# Altium PCB DI543.PcbDoc (part 5 of 8)
Units mil, origin at the board's own origin, x right, y up, seen from the top; angles counter-clockwise.
Board outline 8666.42 x 9192.01 mil, 4 copper layers (Top Layer, Mid-Layer 1, Mid-Layer 2, Bottom Layer), stack 35.6 mil thick; 694 components, 500 nets, 2441 pads, 1661 vias.
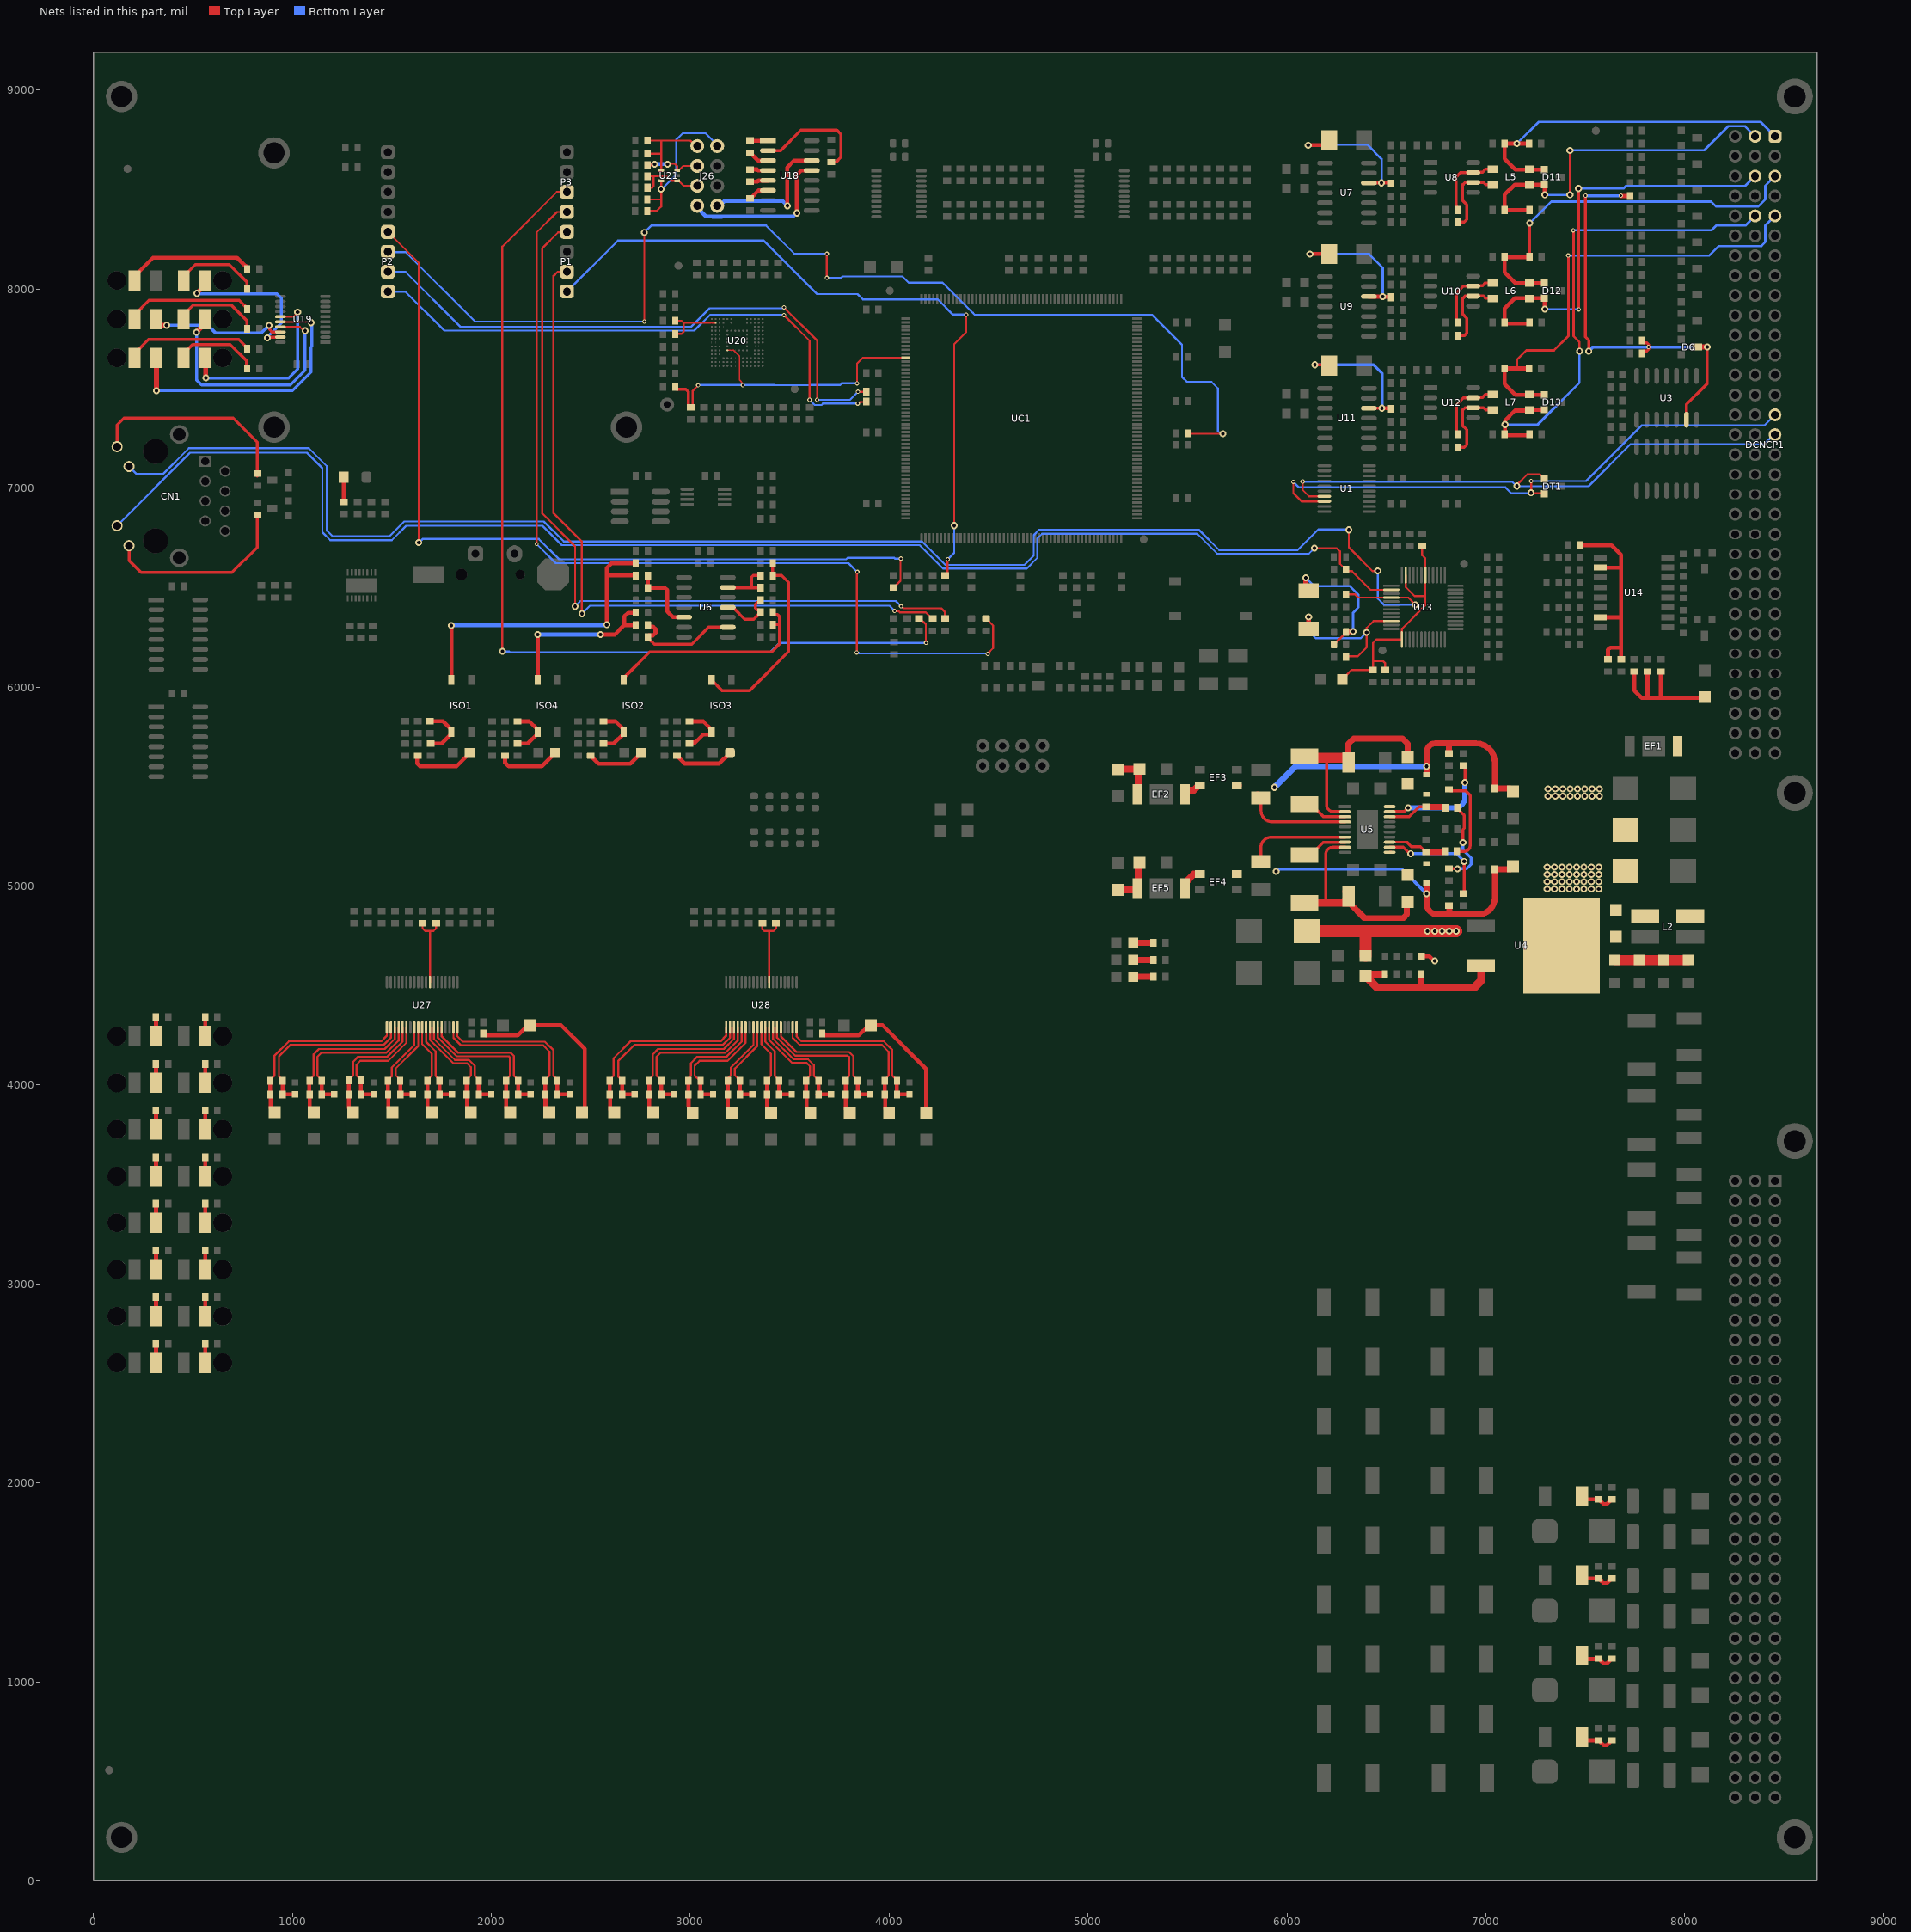
[diagram p7: the nets of this part, all layers, seen from the top]

## Via types
v1: diameter 35, hole 18, Top Layer to Bottom Layer, tented both sides, 586 vias
v2: diameter 32, hole 18, Top Layer to Bottom Layer, tented both sides, 474 vias
v3: diameter 22, hole 12, Top Layer to Bottom Layer, tented both sides, 354 vias
v4: diameter 24, hole 12, Top Layer to Bottom Layer, tented both sides, 80 vias
v5: diameter 38, hole 18, Top Layer to Bottom Layer, tented both sides, 57 vias
v6: diameter 20, hole 12, Top Layer to Bottom Layer, tented both sides, 51 vias
v7: diameter 62.99, hole 31.5, Top Layer to Bottom Layer, tented both sides, 49 vias
v8: diameter 35, hole 19, Top Layer to Bottom Layer, tented both sides, 4 vias
v9: diameter 21, hole 12, Top Layer to Bottom Layer, tented both sides, 3 vias
v10: diameter 35, hole 12, Top Layer to Bottom Layer, tented both sides, 1 vias
v11: diameter 22.01, hole 12, Top Layer to Bottom Layer, tented both sides, 1 vias
v12: diameter 35, hole 22, Top Layer to Bottom Layer, tented both sides, 1 vias

## Nets (pads, with @x,y where several pads share a name; then routed paths per layer and width w, separated by ;. In a path a pad name is that pad's centre, name@x,y a point inside that pad or via, vN(x,y) a via of type N, cw(c..) or ccw(c..) an arc to the next point about the centre after c; other vN are vias at no path point) (continued)
NetC41_2: C41.2 D6.3 R58.1 R69.2 U3.13 | length 2182.3
  Top Layer w15: v3(7501,8470) 7501,7759.83 7517.72,7743.11 7517.72,7695.09 v1@7511.61,7688.98 ; v3@7678,8469 v3@7678.53,8468.47 ; R69.2@7724.56,8468.47 R69.2@7725.08,8467.95 ; R58.1@7786,7677 7786,7680.5 7794.5,7689 7809.21,7689 7818,7697.79 v3@7818,7705.25 ; C41.2@7786,7742.24 7786,7738.74 7794.5,7730.24 7809.21,7730.24 7818,7721.45 v3(7818,7709.62) ; U3.13@8008.79,7344.2 8008.79,7421.19 8113.19,7525.59 v1(8113.19,7709.65) ; D6.3@8062.44,7709.68 D6.3@8062.78,7709.34
  Top Layer w20: v3@7678.53,8468.47 R69.2@7724.56,8468.47 ; v1@8112.88,7709.34 v1(8113.19,7709.65)
  Top Layer w25: D6.3@8062.78,7709.34 v1@8112.88,7709.34
  Bottom Layer w15: v3(7501,8470) v3@7677,8470 ; v1(7517.72,7688.98) 7538.36,7709.62 v3(7818,7709.62) ; v3(7818,7709.62) v1(8113.19,7709.65)
  other v3: 7678.97,8470
NetC47_1: C47.1 C48.1 EF1.1 L2.4
NetC50_2: C50.2 C51.2 R70.2 U4.3 | length 847.5
  Top Layer w20: C51.2@6492.54,4555.99 C51.2@6498.2,4550.33
  Top Layer w30: 6670,4490 ccw(c6670,4496.19) 6676.19,4496.19 C50.2@6676.19,4556.25
  Top Layer w35: R70.2@6402.25,4556 6475,4556
  Top Layer w40: R70.2@6394.64,4548.39 6453.03,4490 6670,4490 6942,4490 6976.74,4524.74 U4.3@6976.74,4601
NetC52_1: C52.1 R305.1 R306.2 U4.4 | length 956.1
  Top Layer w20: R306.2@6677.19,4646.69 6716.16,4646.69 6738.98,4623.87 v1(6743.04,4623.87)
  Top Layer w60: C52.1@6099,4773 6388,4773 ; R305.1@6394.64,4648.96 6394.64,4766.36 ccw(c6388,4766.36) 6388,4773 ; v1(6852,4773) 6816,4773 6744,4773 v1(6707,4773) 6388,4773
  other v1: 6743.25,4773 6779.5,4773 6815.75,4773 7308.2,4985 7345.31,4985 7382.43,4985 7419.54,4985 7456.66,4985 7493.77,4985 7530.89,4985 7568,4985 7308.2,5021.92 7345.31,5021.92 7382.43,5021.92 7419.54,5021.92 7456.66,5021.92 7493.77,5021.92 7530.89,5021.92 7568,5021.92 7308.2,5058.84 7345.31,5058.84 7382.43,5058.84 7419.54,5058.84 7456.66,5058.84 7493.77,5058.84 7530.89,5058.84 7568,5058.84 7308.2,5095.76 7345.31,5095.76 7382.43,5095.76 7419.54,5095.76 7456.66,5095.76 7493.77,5095.76 7530.89,5095.76 7568,5095.76 7312.56,5451.31 7349.48,5451.31 7386.4,5451.31 7423.32,5451.31 7460.24,5451.31 7497.16,5451.31 7534.08,5451.31 7571,5451 7312.56,5488.11 7349.48,5488.11 7386.4,5488.11 7423.32,5488.11 7460.24,5488.11 7497.16,5488.11 7534.08,5488.11 7571,5488.11
NetC53_1: C53.1 D16.K L3.1 U5.2 | length 1055.8
  Top Layer w15: 6201,5646 ccw(c6205.83,5641.17) 6199,5641.17 6199,5410 ccw(c6234.96,5410) 6234.96,5374.04 U5.2@6292,5374.04
  Top Layer w30: D16.K@6309.61,5621.25 6309.61,5714.61 6336,5741 6582,5741 6607,5716 C53.1@6607,5648.25
  Top Layer w50: L3.1@6081,5646 6201,5646 D16.K@6307,5646
NetC53_2: C53.2 D15.K U5.20
NetC54_2: C54.2 EF2.3 R309.1 | length 240.2
  Top Layer w35: R309.1@5150.27,5586.88 5151.27,5587.88 C54.2@5257.88,5587.88 ; EF2.3@5247.33,5461.49 5253.1,5467.26 5253.1,5583.11 C54.2@5257.88,5587.88 ; C54.2@5258.88,5588.88 C54.2@5257.88,5587.88
NetC55_1: C55.1 C56.2 D15.A EF3.1 R308.1 R310.1 U5.4 | length 2164
  Top Layer w15: C55.1@5868.84,5443.88 cw(c5868.84,5442.72) 5870,5442.72 5870,5379 ccw(c5926.14,5379) 5926.14,5322.86 U5.4@6292,5322.86
  Top Layer w30: D15.A@6703,5566 6703,5674 cw(c6746,5674) 6746,5717 6814,5717 ; R308.1@6815.04,5667.25 cw(c6815.04,5668.3) 6814,5668.3 6814,5717 ; R310.1@7045,5490.23 7045,5623 ccw(c6951,5623) 6951,5717 6814,5717 ; R310.1@7045.07,5490.16 7122.07,5490.16 C56.2@7137,5475.23
  Top Layer w35: EF3.1@5749.08,5505.93 EF3.1@5754.98,5505.93 ; C55.1@5853.86,5458.86 C55.1@5868.84,5443.88
  Bottom Layer w30: v1(5938,5496) 6044,5602 v1(6702,5602)
NetC57_1: C57.1 D18.K U5.11 | length 6.9
  Top Layer w15: U5.11@6516.41,5169.32 6522.8,5169.32 U5.11@6523.15,5168.97
NetC57_2: C57.2 D19.K L4.1 U5.9 | length 1016.9
  Top Layer w15: 6196,4932 6196,5161 cw(c6229.91,5161) 6229.91,5194.91 U5.9@6292,5194.91
  Top Layer w30: D19.K@6313.54,4915.46 6390,4839 6585.66,4839 6603.23,4856.57 6603.23,4916.32 C57.2@6607,4920.09
  Top Layer w40: L4.1@6089,4915.46 6196,4915.46 6297,4915.46 6313.54,4915.46 D19.K@6297,4932 ; D19.K@6307.27,4944.75 D19.K@6309.61,4947.09
  Top Layer w50: D19.K@6303.11,4972 6309.61,4965.5 D19.K@6309.61,4947.09
NetC58_1: C58.1 D47.A R192.2 | length 182.6
  Top Layer w20: D47.A@7482.77,722.39 7498.77,706.39 7570.87,706.39 7576.87,700.39 7576.87,696.89 7592.38,681.39 7608.95,681.39 7624.46,696.89 7624.46,700.39 7630.46,706.39 R192.2@7633.96,706.39
NetC59_1: C59.1 D48.A R208.2 | length 183.4
  Top Layer w20: D48.A@7482.77,1132.09 7482.77,1131.51 7499.26,1115.01 C59.1@7567.37,1115.01 ; C59.1@7567.37,1117.09 7570.87,1117.09 7576.87,1111.09 7576.87,1107.59 7592.38,1092.08 7608.95,1092.08 7624.46,1107.59 7624.46,1111.09 7630.46,1117.09 R208.2@7633.96,1117.09
NetC60_1: C60.1 D49.A R259.2 | length 182.2
  Top Layer w20: D49.A@7482.77,1535.03 7497.77,1520.03 7570.87,1520.03 7576.87,1514.03 7576.87,1510.53 7592.38,1495.02 7608.95,1495.02 7624.46,1510.53 7624.46,1514.03 7630.46,1520.03 R259.2@7633.96,1520.03
NetC61_1: C61.1 D50.A R283.2 | length 182.2
  Top Layer w20: D50.A@7482.77,1932.96 7497.77,1917.96 7570.87,1917.96 7576.87,1911.96 7576.87,1908.46 7592.38,1892.95 7608.95,1892.95 7624.46,1908.46 7624.46,1911.96 7630.46,1917.96 R283.2@7633.96,1917.96
NetC62_2: C62.2 L5.1 U8.7 | length 369
  Top Layer w15: C62.2@6860,8398 6851.5,8406.5 6851.5,8418.69 6851.4,8418.79 6851.4,8565.4 6872.38,8586.38 U8.7@6936.5,8586.38 6939.02,8588.9 6983.9,8588.9 6997.74,8602.74 L5.1@7033.99,8602.74
NetC63_2: C63.2 D11.1 DCNCP1.A1 L5.4 R74.2 | length 1794.3
  Top Layer w20: R74.2@7218,8732 v1(7156.5,8732) C63.2@7095,8732 7095,8655 7149,8601 D11.1@7294.5,8601
  Bottom Layer w11.81: v1(7156.5,8732) 7265.5,8841 8381.28,8841 DCNCP1.A1@8453.78,8768.5
NetC64_1: C64.1 L5.2 U8.6 | length 395.4
  Top Layer w15: C64.1@6860,8337 6892,8337 6905,8350 6905,8425 6881.81,8448.19 6881.81,8522.35 6895.36,8535.9 6935.86,8535.9 U8.6@6936.41,8536.46 ; U8.6@6936.5,8536.38 6988.62,8536.38 7000,8525 7032.99,8525 L5.2@7033.99,8524
NetC65_1: C65.1 D11.2 DCNCP1.B1 L5.3 R79.1 | length 1839.2
  Top Layer w11.81: v1@7423,8469 v1(7423,8698)
  Top Layer w20: R79.1@7220,8398 C65.1@7095,8398 7095,8475 7146,8526 D11.2@7294.5,8526 7296,8524.5 v1@7296,8468
  Bottom Layer w11.81: v1(7296,8473.92) v1(7423,8473.92) ; v1(7423,8698) 8097,8698 8218.19,8819.19 8303.09,8819.19 DCNCP1.B1@8353.78,8768.5
NetC67_2: C67.2 U7.5 X_C1.2 | length 749.7
  Top Layer w11.81: C67.2@6520.33,8534 C67.2@6524,8530.33
  Top Layer w15: U7.5@6412,8534 6477,8534 C67.2@6520.33,8534
  Top Layer w20: v1(6107,8724.05) 6189.46,8724.05 X_C1.2@6213.5,8748.08
  Bottom Layer w11.81: v1@6107,8727 6403.91,8727 6476,8654.91 v1(6476,8534)
NetC68_2: C68.2 L6.1 U10.7 | length 354.5
  Top Layer w15: C68.2@6860,7832 6853,7839 6853,7982 6886.38,8015.38 U10.7@6936.5,8015.38 6939.02,8017.9 6983.9,8017.9 6997.74,8031.74 L6.1@7033.99,8031.74
NetC69_2: C69.2 D12.1 DCNCP1.A3 L6.4 R82.2 | length 1981.8
  Top Layer w12: R82.2@7219,8163 R82.2@7219.74,8163.74 ; v1@7219.74,8330.96 v1(7220.47,8331.69)
  Top Layer w15: R82.2@7219.74,8163.74 v1@7219.74,8330.96
  Top Layer w20: R82.2@7218,8161 7095,8161 7095,8084 7149,8030 D12.1@7294.5,8030
  Bottom Layer w12: v1(7220.47,8331.69) 7328.78,8440 8133,8440 8156.02,8416.98 8370.82,8416.98 8405.3,8451.46 8405.3,8520.02 DCNCP1.A3@8453.78,8568.5
NetC70_1: C70.1 L6.2 U10.6 | length 395.4
  Top Layer w15: C70.1@6860,7766 6892,7766 6905,7779 6905,7854 6881.81,7877.19 6881.81,7951.35 6895.36,7964.9 6935.86,7964.9 U10.6@6936.41,7965.46 ; U10.6@6936.5,7965.38 6988.62,7965.38 7000,7954 7032.99,7954 L6.2@7033.99,7953
NetC71_1: C71.1 D12.2 DCNCP1.B3 L6.3 R87.1 | length 2171.7
  Top Layer w12: v1(7466,8506) 7467,8505 7467,7899.61 v3(7467.98,7898.62)
  Top Layer w20: R87.1@7220,7827 7095,7827 C71.1@7095,7832 7095,7904 7146,7955 7221,7955 D12.2@7294.5,7955 7295.38,7954.12 7295.38,7900.49 v1(7296.26,7899.61)
  Bottom Layer w12: v1(7296.26,7899.61) 7296.75,7899.11 7467.49,7899.11 v3(7467.98,7898.62) ; v1@7467,8506 7692,8506 7705,8519 8304.28,8519 DCNCP1.B3@8353.78,8568.5
NetC73_2: C73.2 U9.5 X_C2.2 | length 753.5
  Top Layer w11.81: X_C2.2@6212.42,8176 X_C2.2@6213.5,8177.08 ; U9.5@6412,7963 U9.5@6412.5,7962.5 ; v1@6481.5,7962.5 v1(6482,7962) ; C73.2@6521.42,7962 C73.2@6524,7959.42
  Top Layer w20: v1(6115.53,8177.13) 6211.29,8177.13 X_C2.2@6212.42,8176 ; U9.5@6412.5,7962.5 v1@6481.5,7962.5 ; v1(6482,7962) C73.2@6521.42,7962
  Bottom Layer w11.81: v1@6115.57,8177.17 6412.83,8177.17 6482,8108 v1(6482,7962)
NetC74_2: C74.2 L7.1 U12.7 | length 355.3
  Top Layer w15: C74.2@6860,7271 6852,7279 6852,7420 6886.38,7454.38 U12.7@6936.5,7454.38 6939.02,7456.9 6983.9,7456.9 6997.74,7470.74 L7.1@7033.99,7470.74
NetC75_2: C75.2 D13.1 DCNCP1.A5 L7.4 R90.2 | length 2348.9
  Top Layer w12: 7157.48,7602 7157.48,7646.48 7203,7692 7342.59,7692 7415.5,7764.91 7415.5,8167.97 v3(7414.17,8169.29)
  Top Layer w20: C75.2@7095,7600 7095,7523 7149,7469 D13.1@7294.5,7469 ; C75.2@7095,7602 7157.48,7602 R90.2@7218,7602
  Bottom Layer w12: v3(7414.17,8169.29) 8123.29,8169.29 8170.98,8216.98 8384.98,8216.98 8405.3,8237.3 8405.3,8320.02 DCNCP1.A5@8453.78,8368.5
NetC76_1: C76.1 L7.2 U12.6 | length 395.4
  Top Layer w15: C76.1@6860,7205 6892,7205 6905,7218 6905,7293 6881.81,7316.19 6881.81,7390.35 6895.36,7403.9 6935.86,7403.9 U12.6@6936.41,7404.46 ; U12.6@6936.5,7404.38 6988.62,7404.38 7000,7393 7032.99,7393 L7.2@7033.99,7392
NetC77_1: C77.1 D13.2 DCNCP1.B5 L7.3 R95.1 | length 2597.4
  Top Layer w11.81: v3(7440,8296) v3@7440.09,8295.91 ; v3@7441.08,8295.91 7441.08,7763.65 7471,7733.72 v1@7471,7689.73
  Top Layer w20: C77.1@7095,7266 R95.1@7220,7266 ; C77.1@7095,7271 7096.46,7272.46 7096.46,7339.57 7146.71,7389.82 7218.82,7389.82 L7.3@7221,7392 ; L7.3@7222,7393 7293.5,7393 D13.2@7294.5,7394
  Bottom Layer w11.81: v1(7096.46,7319.88) 7260.83,7319.88 7471,7530.06 v1@7471,7690 ; v3(7440,8296) 8134,8296 8158.12,8320.12 8305.39,8320.12 DCNCP1.B5@8353.78,8368.5
  other v1: 7471,7688.98
NetC79_2: C79.2 U11.5 X_C3.2 | length 720
  Top Layer w11.81: C79.2@6520.33,7402 C79.2@6524,7398.33
  Top Layer w15: v1(6139.76,7620.08) 6209.42,7620.08 X_C3.2@6213.5,7616 ; U11.5@6412,7402 v1@6483,7402
  Top Layer w20: v1@6483,7402 C79.2@6520.33,7402
  Bottom Layer w15: v1(6139.76,7620.08) 6434.92,7620.08 6478,7577 v1(6478,7402)
NetC85_2: C85.2 R122.1 Y4.2 | length 695.9
  Top Layer w12: R122.1@6236.23,6213.62 6236.23,6217.12 6246.23,6227.12 6249.73,6227.12 6284.71,6262.1 6287.23,6262.1 6297.23,6272.1 C85.2@6297.23,6275.6 ; C85.2@6297.23,6277.27 C85.2@6298.15,6278.18 ; v1@6331.74,6278.18 v1(6332.66,6279.09)
  Top Layer w20: Y4.2@6095.47,6497.07 Y4.2@6109.25,6483.3
  Top Layer w25: Y4.2@6095.47,6497.07 v1@6095.47,6550.2 ; C85.2@6298.15,6278.18 v1@6331.74,6278.18
  Bottom Layer w12: v1@6095.47,6550.2 6138.75,6506.92 6317.89,6506.92 6359.25,6465.55 6359.25,6399.96 6332.68,6373.38 v1(6332.66,6279.09)
  other v1: 6095.47,6549.21
NetC86_1: C86.1 U13.34 Y4.1 | length 772.6
  Top Layer w10: C86.1@6297.23,6151.64 6300.73,6155.14 6355.93,6155.14 6400.59,6199.8 6400.59,6297.24 6434.99,6331.64 U13.34@6489.06,6331.64
  Top Layer w25: Y4.1@6109.25,6292.3 v1(6109.25,6352.36)
  Bottom Layer w10: v1(6109.25,6352.36) 6109.25,6281.5 6144.68,6246.06 6371.06,6246.06 v1(6400.59,6275.59)
NetC87_2: C87.2 C88.2 C89.2 C90.1 U13.18 U13.23 U13.37 | length 1264.2
  Top Layer w10: C90.1@6279.38,6038.78 6299.97,6059.37 6299.97,6061.38 6324.11,6085.51 C87.2@6432.39,6085.48 ; C87.2@6433.07,6086.16 6433.07,6129.96 ; C89.2@6494.29,6085.48 6494.29,6119.92 6484.25,6129.96 6433.07,6129.96 ; U13.37@6577.51,6239.25 6449.85,6239.25 6433.07,6222.48 6433.07,6129.96 ; U13.37@6577.55,6239.22 6577.89,6239.56 6577.89,6283.87 6578.61,6284.59 6578.61,6293.61 6695.66,6410.66 6695.66,6457.7 ; U13.23@6597.23,6562.05 6597.23,6502.51 6642.05,6457.7 6695.66,6457.7 ; C88.2@6680.01,6710.48 6680.01,6662.55 6695.66,6646.9 U13.18@6695.66,6562.05 6695.66,6457.7
NetC91_2: C91.2 C92.2 R172.1 U14.2 U14.7 | length 1085.1
  Top Layer w20: C92.2@7473.25,6712.74 7632.73,6712.74 7680,6665.47 7680,6603 ; U14.7@7574.46,6350.84 7675.16,6350.84 7680,6346 ; U14.2@7574.46,6600.84 7677.84,6600.84 7680,6603 ; R172.1@7613.95,6139.46 7613.95,6187.28 7625.66,6199 7680,6199 ; C91.2@7680.21,6139.46 7680,6139.66 7680,6199 ; 7680,6199 7680,6346 ; 7680,6346 7680,6603
NetC98_1: C98.1 U18.3 | length 109.3
  Top Layer w20: C98.1@3300.48,8686.51 3303.98,8686.51 3309.98,8680.51 3309.98,8677.01 3340.48,8646.51 U18.3@3391.19,8646.51
NetC98_2: C98.2 U18.1 | length 89.7
  Top Layer w20: C98.2@3301.48,8746.51 U18.1@3391.19,8746.51
NetC100_1: C100.1 U18.5 | length 93.4
  Top Layer w20: C100.1@3300.48,8541.01 3300.92,8540.58 3338.26,8540.58 3344,8546.31 3390.99,8546.31 U18.5@3391.19,8546.51
NetC100_2: C100.2 U18.4 | length 93
  Top Layer w20: C100.2@3300.48,8602.01 3336,8602.01 3341.5,8596.51 U18.4@3391.19,8596.51
NetC101_2: C101.2 U18.2 | length 593.8
  Top Layer w15: U18.2@3391.19,8696.51 3454.46,8696.51 3557.48,8799.53 3737.48,8799.53 3758.48,8778.53 3758.48,8663.53 3733.96,8639.01 C101.2@3708.48,8639.01
NetC102_2: C102.2 U18.6 | length 107.3
  Top Layer w20: C102.2@3300.48,8456.51 3303.98,8456.51 3343.89,8496.42 3391.1,8496.42 U18.6@3391.19,8496.51
NetC104_2: C104.2 R161.2 U20.K5 UC1.167 | length 1671.1
  Top Layer w5.91: U20.K5@3187.29,7692.91 3218.09,7692.91 3247.81,7663.19 3247.81,7544.19 3250.41,7541.59 3253.87,7538.13 3265,7523.92 v3(3265,7517.92)
  Top Layer w10: R161.2@3003.47,7406.12 3013.17,7415.82 3013.17,7489.55 v3(3040.35,7516.73) ; v3(3838.97,7527) 3838.97,7626.97 3867.85,7655.85 UC1.167@4084.48,7655.85
  Top Layer w15: C104.2@2925,7509.01 2925,7505.51 2933.5,7497.01 2978.39,7497.01 2991.47,7483.92 2991.47,7414.62 2999.97,7406.12 R161.2@3003.47,7406.12
  Bottom Layer w10: v3(3040.35,7516.73) 3041.54,7517.92 v3(3265,7517.92) ; v3@3267.3,7520.22 3268.25,7520.22 3270.54,7517.92 3423.67,7517.92 3423.71,7517.88 3608.1,7517.88 3608.14,7517.92 3753.16,7517.92 3762.24,7527 v3@3837,7527
NetC105_2: C105.2 C106.2 U20.C2 | length 313.8
  Top Layer w5.91: C106.2@2925,7840.37 C106.2@2925,7842.16 2925,7842.98 C106.2@2933.5,7851.48 ; 2967.52,7830.71 U20.C2@3128.23,7830.71
  Top Layer w10: C105.2@2925,7775.53 2957.62,7775.53 2967.52,7785.43 2967.52,7830.71 2957.85,7840.37 C106.2@2925,7840.37
NetC117_2: C117.2 R171.1 R173.2 R174.2 | length 732.4
  Top Layer w20: R171.1@7746.46,6078.46 7746.46,5982.54 7783,5946 7813,5946 ; R173.2@7812.72,6078.46 7812.72,5946.28 7813,5946 ; R174.2@7878.98,6078.46 7878.98,5947.98 7877,5946 ; C117.2@8100.39,5949.8 8096.59,5946 7877,5946 ; 7813,5946 7877,5946
NetC118_2: C118.2 R194.1 U6.5 | length 364
  Top Layer w20: R194.1@2787.4,6557.21 2787.4,6499.02 2873.13,6499.02 2884.84,6487.3 2884.84,6379.92 2913.78,6350.98 U6.5@2968.98,6350.98
NetC120_1: C120.1 ISO1.1 R190.1 | length 269.6
  Top Layer w20: R190.1@1692.14,5828.65 1757.09,5828.65 1799.63,5786.11 ISO1.1@1799.63,5776.27 1799.63,5766.42 1749.96,5716.76 1696.83,5716.76 C120.1@1695.83,5715.76
NetC121_2: C121.2 R229.2 U27.27 | length 388.4
  Top Layer w9.84: R229.2@1654.12,4812.61 1654.12,4786.88 1667,4774 1688.5,4774 ; U27.27@1691.93,4517.67 1691.93,4770.57 1688.5,4774 ; C121.2@1722.62,4812.47 1722.62,4786.62 1710,4774 1688.5,4774
NetC127_1: C127.1 D9_F.1 R233.1 U27.2 | length 913.8
  Top Layer w10: C127.1@950.38,4022.2 950.38,4025.7 939.38,4036.7 938.93,4036.7 933.07,4042.56 933.07,4144.07 991.6,4202.6 1460.32,4202.6 1495.08,4237.35 U27.2@1495.08,4289.32
  Top Layer w19.68: R233.1@950.38,3953.06 C127.1@950.38,4022.2 ; R233.1@950.6,3953.27 D9_F.1@1013.36,3953.27
NetC127_2: C127.2 R233.2 R241.2 U27.1 | length 948
  Top Layer w10: C127.2@889.38,4022.2 889.38,4025.7 909.45,4045.76 909.45,4146.45 983.47,4220.47 1448.36,4220.47 1475.39,4247.51 U27.1@1475.39,4289.32
  Top Layer w19.68: R233.2@889.38,3953.06 C127.2@889.38,4022.2 ; R233.2@890.48,3951.97 890.48,3883.46 R241.2@910.38,3863.56
NetC128_1: C128.1 D10_F.1 R234.1 U27.4 | length 767.9
  Top Layer w10: C128.1@1146.53,4022.2 1146.53,4025.7 1125.98,4046.24 1125.98,4141.73 1145.67,4161.42 1471.98,4161.42 1534.45,4223.89 U27.4@1534.45,4289.32
  Top Layer w19.68: R234.1@1147.59,3953.06 C128.1@1147.59,4022.2 ; R234.1@1147.8,3953.27 D10_F.1@1210.56,3953.27
NetC128_2: C128.2 R234.2 R242.2 U27.3 | length 804.4
  Top Layer w10: C128.2@1085.53,4022.2 1085.53,4025.7 1106.3,4046.47 1106.3,4153.54 1133.86,4181.1 1464.11,4181.1 1514.76,4231.76 U27.3@1514.76,4289.32
  Top Layer w19.68: R234.2@1085.53,3953.06 C128.2@1085.53,4022.2 ; R234.2@1087.54,3952.11 1087.54,3883.6 R242.2@1107.59,3863.56
NetC129_1: C129.1 D11_F.1 R235.1 U27.6 | length 594.1
  Top Layer w10: C129.1@1344.79,4022.38 1344.79,4025.88 1323,4047.67 1323,4102.53 1342.52,4122.05 1483.17,4122.05 1573.82,4212.7 U27.6@1573.82,4289.32
  Top Layer w19.68: R235.1@1344.79,3953.25 C129.1@1344.79,4022.38 ; R235.1@1345,3953.46 D11_F.1@1407.76,3953.46
NetC129_2: C129.2 R235.2 R243.2 U27.5 | length 630.9
  Top Layer w10: C129.2@1283.79,4022.38 1283.79,4025.88 1305.13,4047.22 1305.13,4116.15 1330.71,4141.73 1477.57,4141.73 1554.13,4218.29 U27.5@1554.13,4289.32
  Top Layer w19.68: R235.2@1283.79,3953.25 C129.2@1283.79,4022.38 ; R235.2@1284.88,3952.16 1284.88,3883.47 R243.2@1304.79,3863.56
NetC130_1: C130.1 D12_F.1 R236.1 U27.9 | length 455.3
  Top Layer w10: C130.1@1542.34,4022.2 1542.34,4025.7 1519.68,4048.36 1519.68,4082.96 1632.87,4196.15 U27.9@1632.87,4289.32
  Top Layer w19.68: R236.1@1542.34,3953.06 C130.1@1542.34,4022.2 ; R236.1@1542.56,3953.27 D12_F.1@1605.32,3953.27
NetC130_2: C130.2 R236.2 R244.2 U27.8 | length 487.9
  Top Layer w10: C130.2@1481.34,4022.2 1481.34,4025.7 1500,4044.35 1500,4088.55 1613.19,4201.74 U27.8@1613.19,4289.32
  Top Layer w19.68: R236.2@1481.34,3953.06 C130.2@1481.34,4022.2 ; R236.2@1482.21,3952.2 1482.21,3883.69 R244.2@1502.34,3863.56
NetC131_1: C131.1 D13_F.1 R237.1 U27.11 | length 427
  Top Layer w10: U27.11@1672.24,4289.32 1672.24,4217.52 1720.47,4169.29 1720.47,4045.12 1739.9,4025.7 C131.1@1739.9,4022.2
  Top Layer w19.68: R237.1@1739.9,3953.06 C131.1@1739.9,4022.2 ; R237.1@1740.11,3953.27 D13_F.1@1802.87,3953.27
NetC131_2: C131.2 R237.2 R245.2 U27.10 | length 472.2
  Top Layer w10: U27.10@1652.56,4289.32 1652.56,4205.71 1700.79,4157.48 1700.79,4047.59 1678.9,4025.7 C131.2@1678.9,4022.2
  Top Layer w19.68: R237.2@1678.9,3953.06 C131.2@1678.9,4022.2 ; R237.2@1679.83,3962.14 1679.83,3883.63 R245.2@1699.9,3863.56
NetC132_1: C132.1 D14_F.1 R238.1 U27.13 | length 533.7
  Top Layer w10: U27.13@1711.61,4289.32 1711.61,4232.18 1817.54,4126.25 1887.75,4126.25 1916.87,4097.13 1916.87,4046.28 1937.45,4025.7 C132.1@1937.45,4022.2
  Top Layer w19.68: R238.1@1937.45,3953.06 C132.1@1937.45,4022.2 ; R238.1@1937.67,3953.27 D14_F.1@2000.43,3953.27
NetC132_2: C132.2 R238.2 R246.2 U27.12 | length 567.2